# KiCad board endeavour2.kicad_pcb (continued)
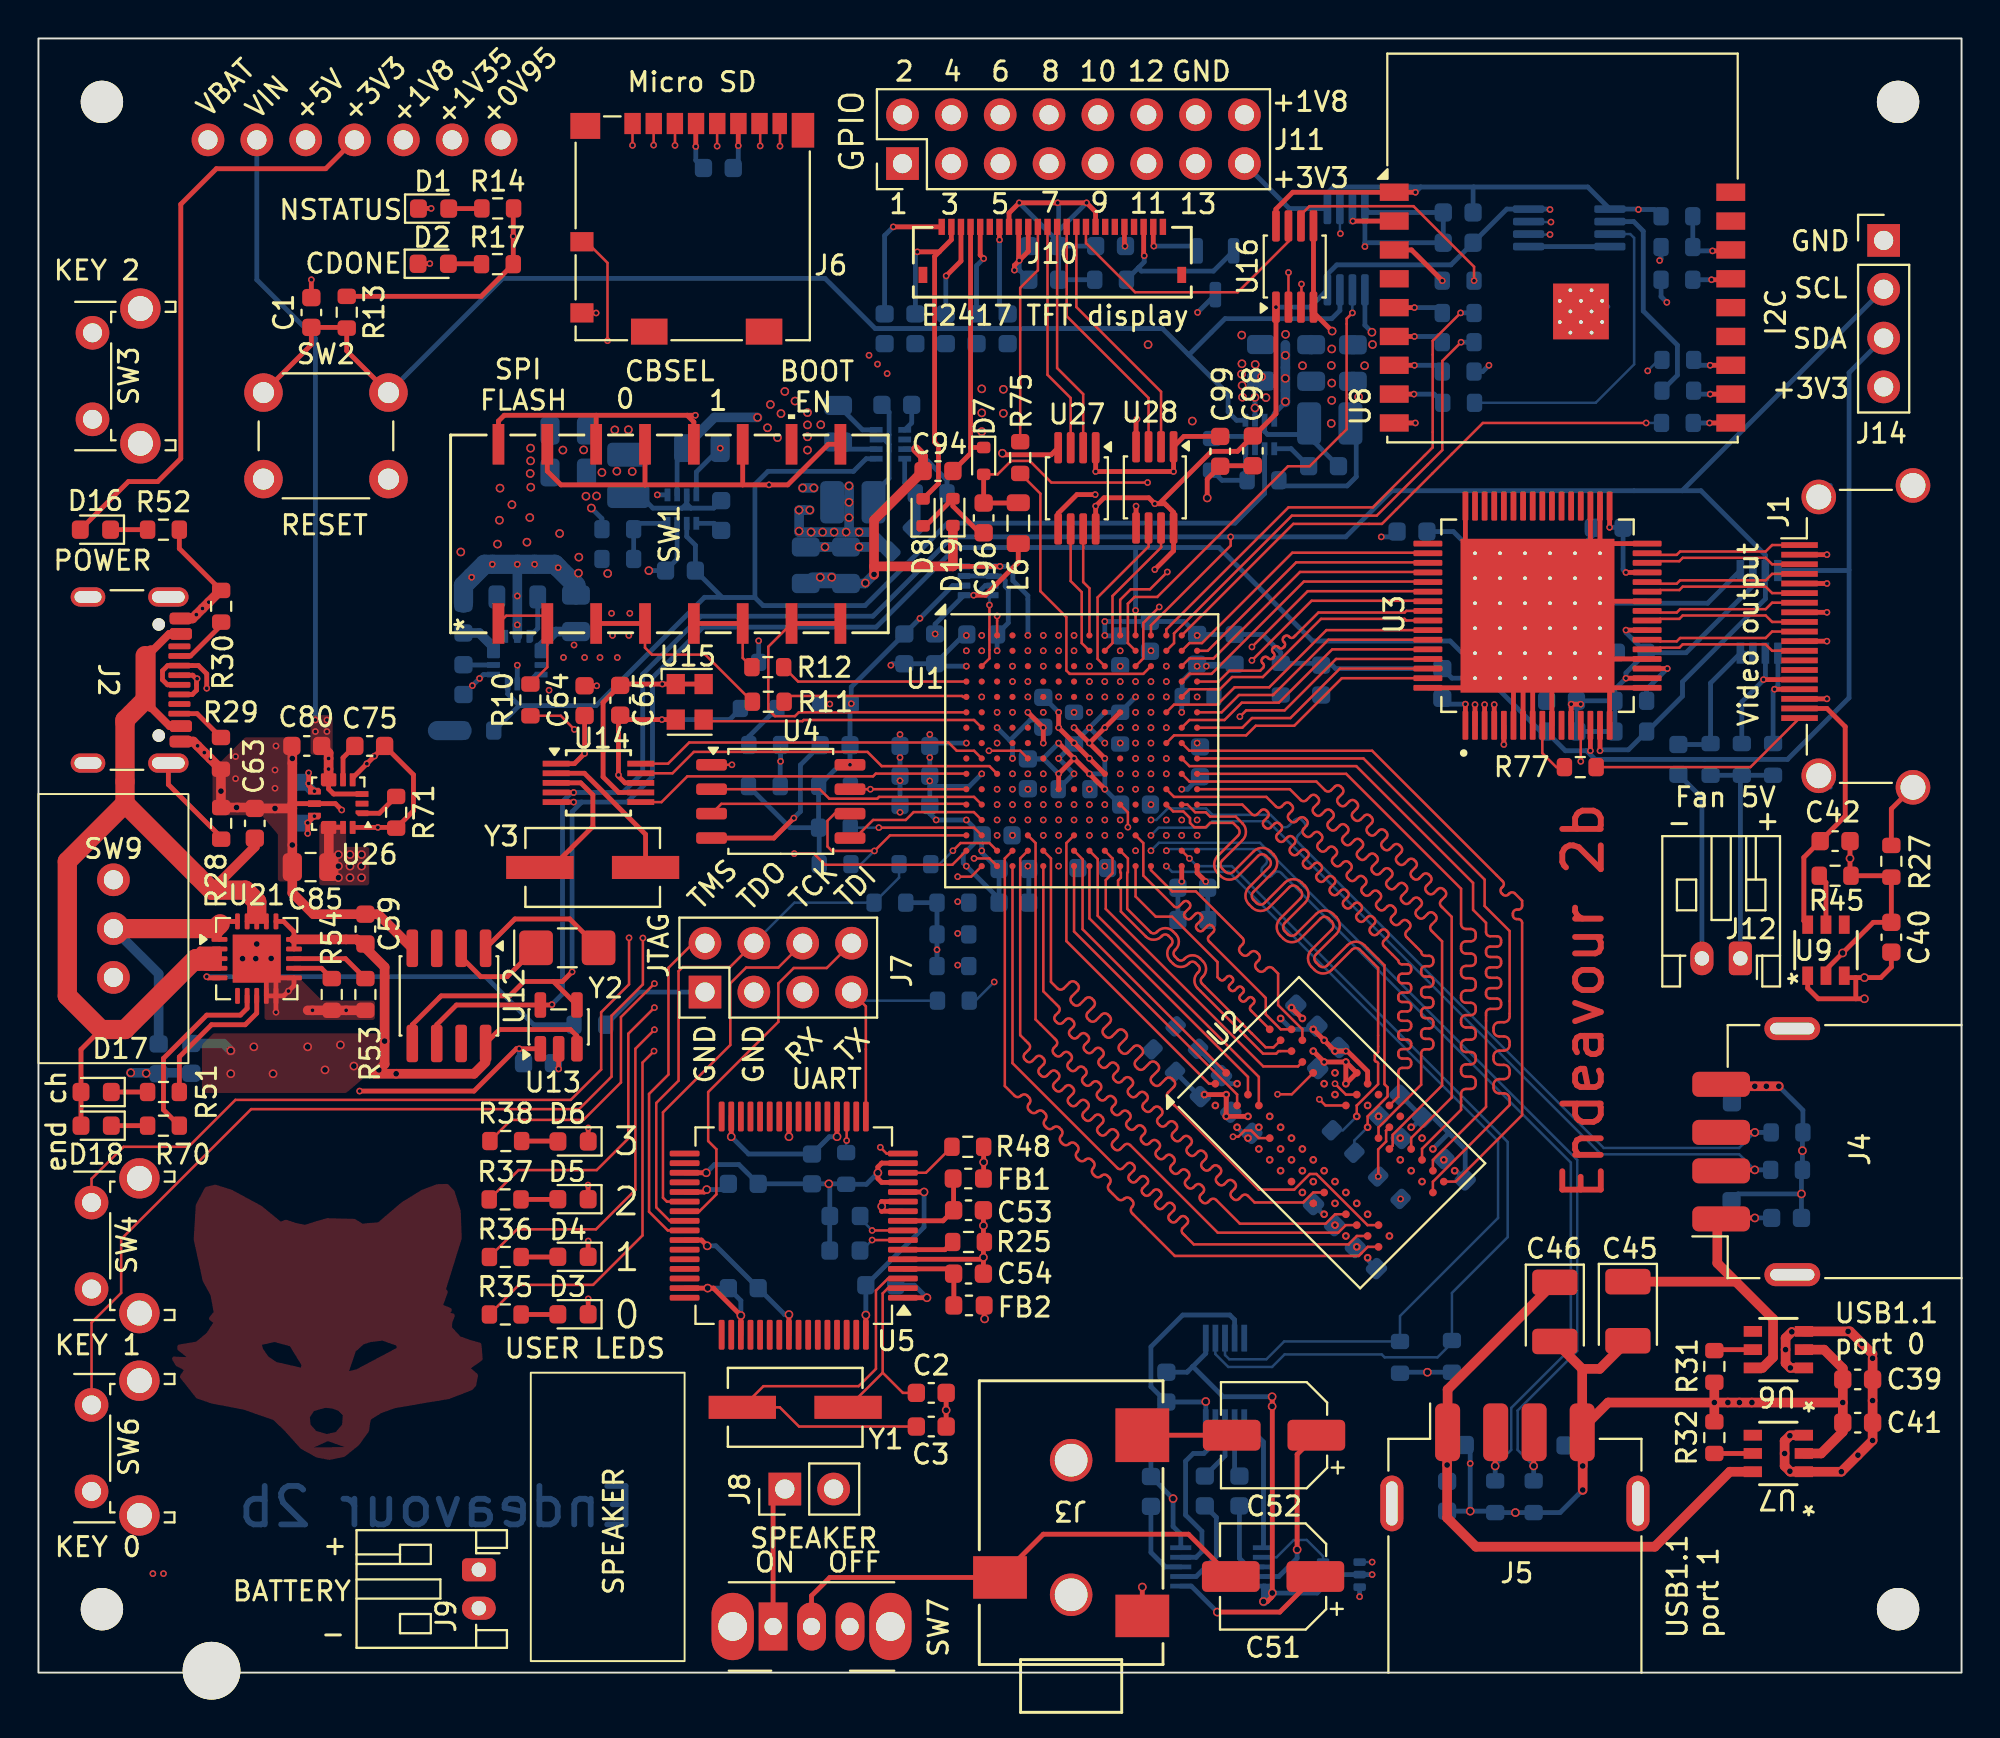
[diagram p0: board, top side]
## Routing (per net, layer and track width the routed paths; a pad name or vN(x,y) marks a point on that pad's centre or on a via; arc(x,y) is an arc through that point) (continued)
DDR_A9: length 39.6
  Top w0.13: U1.R6 52.65,42.35 52.65,35.93 52.98,35.59 arc(53.15,35.52) 53.32,35.59 53.61,35.89 arc(53.78,35.96) 53.95,35.89 54.03,35.81 arc(54.1,35.64) 54.03,35.47 53.73,35.18 arc(53.66,35.01) 53.73,34.84 53.82,34.76 arc(53.98,34.69) 54.15,34.76 54.45,35.06 arc(54.62,35.13) 54.78,35.06 54.87,34.97 arc(54.93,34.81) 54.87,34.64 54.57,34.34 arc(54.5,34.17) 54.57,34.01 54.65,33.92 arc(54.82,33.86) 54.99,33.92 55.28,34.22 arc(55.45,34.29) 55.62,34.22 55.7,34.14 arc(55.77,33.97) 55.7,33.81 55.4,33.51 arc(55.33,33.34) 55.4,33.17 55.49,33.09 arc(55.65,33.02) 55.82,33.09 56.12,33.39 arc(56.28,33.46) 56.45,33.39 56.53,33.3 arc(56.6,33.14) 56.53,32.97 56.24,32.67 arc(56.17,32.51) 56.24,32.34 56.32,32.26 arc(56.49,32.19) 56.65,32.26 56.95,32.55 arc(57.12,32.62) 57.29,32.55 57.37,32.47 arc(57.44,32.3) 57.37,32.14 57.07,31.84 arc(57,31.67) 57.07,31.5 57.15,31.42 arc(57.32,31.35) 57.49,31.42 57.79,31.72 arc(57.95,31.79) 58.12,31.72 58.2,31.64 arc(58.27,31.47) 58.2,31.3 57.91,31 arc(57.84,30.84) 57.91,30.67 57.99,30.59 arc(58.16,30.52) 58.32,30.59 58.62,30.88 arc(58.79,30.95) 58.95,30.88 59.04,30.8 arc(59.11,30.63) 59.04,30.47 58.74,30.17 arc(58.67,30) 58.74,29.84 63.45,25.12 65.3,25.12 66.11,25.94 66.45,25.94 69.11,23.28 U2.R3
DDR_A10: length 39.8
  Top w0.13: U1.L14 59.05,45.55 63.85,45.55 64.35,45.05 arc(64.5,44.99) 64.65,45.05 64.79,45.2 arc(64.94,45.26) 65.1,45.2 65.17,45.12 arc(65.24,44.97) 65.17,44.81 65.03,44.67 arc(64.97,44.52) 65.03,44.37 65.11,44.29 arc(65.26,44.23) 65.41,44.29 65.56,44.43 arc(65.71,44.5) 65.86,44.43 65.94,44.36 arc(66,44.2) 65.94,44.05 65.8,43.91 arc(65.73,43.76) 65.8,43.6 65.87,43.53 arc(66.03,43.46) 66.18,43.53 66.32,43.67 arc(66.47,43.73) 66.62,43.67 66.7,43.59 arc(66.76,43.44) 66.7,43.29 66.56,43.15 arc(66.5,42.99) 66.56,42.84 66.64,42.76 arc(66.79,42.7) 66.94,42.76 67.08,42.9 arc(67.24,42.97) 67.39,42.9 67.46,42.83 arc(67.53,42.68) 67.46,42.52 67.32,42.38 arc(67.26,42.23) 67.32,42.08 67.4,42 arc(67.55,41.94) 67.71,42 67.85,42.14 arc(68,42.2) 68.15,42.14 68.23,42.06 arc(68.29,41.91) 68.23,41.76 68.09,41.62 arc(68.02,41.47) 68.09,41.31 68.16,41.24 arc(68.32,41.17) 68.47,41.24 68.61,41.38 arc(68.76,41.44) 68.92,41.38 68.99,41.3 arc(69.06,41.15) 68.99,41 68.85,40.85 arc(68.79,40.7) 68.85,40.55 68.93,40.47 arc(69.08,40.41) 69.23,40.47 69.37,40.61 arc(69.53,40.68) 69.68,40.61 69.76,40.54 arc(69.82,40.38) 69.76,40.23 69.61,40.09 arc(69.55,39.94) 69.61,39.79 69.69,39.71 arc(69.84,39.65) 70,39.71 70.14,39.85 arc(70.29,39.91) 70.44,39.85 70.52,39.77 arc(70.58,39.62) 70.52,39.47 70.38,39.33 arc(70.32,39.17) 70.38,39.02 70.45,38.95 arc(70.61,38.88) 70.76,38.95 70.9,39.09 arc(71.05,39.15) 71.21,39.09 71.28,39.01 arc(71.35,38.86) 71.28,38.7 71.14,38.56 arc(71.08,38.41) 71.14,38.26 71.9,37.5 arc(71.96,37.35) 72.12,37.28 72.32,37.28 arc(72.47,37.22) 72.53,37.07 72.53,36.96 arc(72.47,36.81) 72.32,36.74 72.12,36.74 arc(71.96,36.68) 71.9,36.53 71.9,36.42 arc(71.96,36.27) 72.12,36.2 72.32,36.2 arc(72.47,36.14) 72.53,35.99 72.53,35.88 arc(72.47,35.73) 72.32,35.66 72.12,35.66 arc(71.96,35.6) 71.9,35.45 71.9,35.34 arc(71.96,35.19) 72.12,35.12 72.32,35.12 arc(72.47,35.06) 72.53,34.91 72.53,34.8 arc(72.47,34.65) 72.32,34.58 72.12,34.58 arc(71.96,34.52) 71.9,34.37 71.9,34.26 arc(71.96,34.11) 72.12,34.04 72.32,34.04 arc(72.47,33.98) 72.53,33.83 72.53,33.72 arc(72.47,33.57) 72.32,33.5 72.12,33.5 arc(71.96,33.44) 71.9,33.29 71.9,33.18 arc(71.96,33.03) 72.12,32.96 72.32,32.96 arc(72.47,32.9) 72.53,32.75 72.53,32.64 arc(72.47,32.49) 72.32,32.42 72.12,32.42 arc(71.96,32.36) 71.9,32.21 71.9,30.58 69.68,28.36 U2.L7
DDR_A11: length 31.3
  In2.Cu w0.13: 72.81,26.97 72.86,27.03 ; 72.81,26.97 71.95,26.11 v1(71.95,25.54) ; 72.81,26.97 72.88,27.04 72.88,36.47 61.44,47.92 58.22,47.92 v1(57.85,47.55)
DDR_A12: length 27.5
  In2.Cu w0.13: v1(70.81,26.67) 70.81,27.24 71.75,28.17 71.75,36.33 61.32,46.75 v1(58.65,46.75)
DDR_A13: length 28
  In2.Cu w0.13: v1(59.45,43.55) 59.45,43.15 59.84,42.76 60.24,42.76 61.71,41.29 61.71,39.55 68.41,32.85 68.41,30.53 66.29,28.41 66.29,27.26 65.92,26.89 65.92,26.43 69.64,22.71 v1(70.25,22.71)
DDR_A14: length 39.5
  Top w0.13: U1.J16 68.9,47.55 75.2,41.25 75.2,39.87 76.5,38.57 76.5,34.13 arc(76.41,33.92) 76.2,33.83 75.96,33.83 arc(75.75,33.74) 75.66,33.54 75.66,33.39 arc(75.75,33.18) 75.96,33.09 76.2,33.09 arc(76.41,33) 76.5,32.8 76.5,32.65 arc(76.41,32.44) 76.2,32.35 75.96,32.35 arc(75.75,32.26) 75.66,32.06 75.66,31.91 arc(75.75,31.7) 75.96,31.61 76.2,31.61 arc(76.41,31.52) 76.5,31.32 76.5,31.17 arc(76.41,30.96) 76.2,30.87 75.96,30.87 arc(75.75,30.78) 75.66,30.58 75.66,30.43 arc(75.75,30.22) 75.96,30.13 76.2,30.13 arc(76.41,30.04) 76.5,29.84 76.5,29.52 72.51,25.53 U2.T7
DDR_A15: length 37.7
  Top w0.13: U2.M7 70.42,27.41 70.42,27.97 72.99,30.54 72.99,38.04 72.43,38.59 arc(72.37,38.75) 72.43,38.9 72.64,39.11 arc(72.7,39.26) 72.64,39.41 72.56,39.49 arc(72.41,39.55) 72.26,39.49 72.05,39.28 arc(71.9,39.22) 71.75,39.28 71.67,39.36 arc(71.61,39.51) 71.67,39.66 71.88,39.87 arc(71.94,40.02) 71.88,40.17 71.8,40.25 arc(71.65,40.31) 71.49,40.25 71.29,40.04 arc(71.13,39.98) 70.98,40.04 70.91,40.12 arc(70.84,40.27) 70.91,40.43 71.11,40.63 arc(71.18,40.79) 71.11,40.94 71.04,41.01 arc(70.88,41.08) 70.73,41.01 70.52,40.81 arc(70.37,40.74) 70.22,40.81 70.14,40.88 arc(70.08,41.04) 70.14,41.19 70.35,41.4 arc(70.41,41.55) 70.35,41.7 70.27,41.78 arc(70.12,41.84) 69.97,41.78 69.76,41.57 arc(69.61,41.51) 69.45,41.57 69.38,41.65 arc(69.31,41.8) 69.38,41.95 69.59,42.16 arc(69.65,42.31) 69.59,42.47 69.51,42.54 arc(69.36,42.61) 69.2,42.54 69,42.33 arc(68.84,42.27) 68.69,42.33 68.61,42.41 arc(68.55,42.56) 68.61,42.72 68.82,42.92 arc(68.88,43.08) 68.82,43.23 68.75,43.31 arc(68.59,43.37) 68.44,43.31 68.23,43.1 arc(68.08,43.03) 67.93,43.1 67.85,43.17 arc(67.79,43.33) 67.85,43.48 68.06,43.69 arc(68.12,43.84) 68.06,43.99 67.98,44.07 arc(67.83,44.13) 67.68,44.07 67.47,43.86 arc(67.32,43.8) 67.16,43.86 67.09,43.94 arc(67.02,44.09) 67.09,44.24 67.29,44.45 arc(67.36,44.6) 67.29,44.76 67.22,44.83 arc(67.07,44.9) 66.91,44.83 66.7,44.63 arc(66.55,44.56) 66.4,44.63 66.32,44.7 arc(66.26,44.85) 66.32,45.01 66.53,45.21 arc(66.59,45.37) 66.53,45.52 66.45,45.6 arc(66.3,45.66) 66.15,45.6 65.94,45.39 arc(65.79,45.33) 65.64,45.39 65.07,45.95 U1.L16
DDR_BA0: length 28.9
  In2.Cu w0.13: v1(67.42,24.41) 66.87,24.41 65.58,25.69 63.43,25.69 52.25,36.87 52.25,43 52.65,43.4 52.65,44.75 v1(52.25,45.15)
DDR_BA1: length 38.5
  Top w0.13: U1.K15 59.85,46.35 66.45,46.35 66.91,45.89 arc(67.06,45.83) 67.21,45.89 67.41,46.09 arc(67.57,46.15) 67.72,46.09 67.79,46.01 arc(67.86,45.86) 67.79,45.71 67.6,45.51 arc(67.53,45.36) 67.6,45.2 67.67,45.13 arc(67.82,45.06) 67.98,45.13 68.18,45.33 arc(68.33,45.39) 68.48,45.33 68.56,45.25 arc(68.62,45.1) 68.56,44.94 68.36,44.75 arc(68.3,44.59) 68.36,44.44 68.44,44.36 arc(68.59,44.3) 68.74,44.36 68.94,44.56 arc(69.09,44.63) 69.25,44.56 69.32,44.49 arc(69.38,44.33) 69.32,44.18 69.12,43.98 arc(69.06,43.83) 69.12,43.68 69.2,43.6 arc(69.35,43.54) 69.5,43.6 69.7,43.8 arc(69.86,43.86) 70.01,43.8 70.09,43.72 arc(70.15,43.57) 70.09,43.42 69.89,43.22 arc(69.82,43.07) 69.89,42.91 69.96,42.84 arc(70.12,42.77) 70.27,42.84 70.47,43.04 arc(70.62,43.1) 70.77,43.04 70.85,42.96 arc(70.91,42.81) 70.85,42.65 70.65,42.46 arc(70.59,42.3) 70.65,42.15 70.73,42.07 arc(70.88,42.01) 71.03,42.07 71.23,42.27 arc(71.38,42.34) 71.54,42.27 71.61,42.2 arc(71.68,42.04) 71.61,41.89 71.41,41.69 arc(71.35,41.54) 71.41,41.39 71.49,41.31 arc(71.64,41.25) 71.8,41.31 71.99,41.51 arc(72.15,41.57) 72.3,41.51 72.38,41.43 arc(72.44,41.28) 72.38,41.13 72.18,40.93 arc(72.11,40.78) 72.18,40.62 72.25,40.55 arc(72.41,40.48) 72.56,40.55 72.76,40.74 arc(72.91,40.81) 73.06,40.74 73.14,40.67 arc(73.2,40.52) 73.14,40.36 72.94,40.16 arc(72.88,40.01) 72.94,39.86 73.49,39.31 73.49,29.91 71.38,27.8 U2.N8
DDR_BA2: length 27.5
  In2.Cu w0.13: v1(67.99,24.97) 68.55,25.54 68.55,27.2 70.3,28.95 70.3,35.72 60.95,45.07 59.38,45.07 v1(58.65,44.35)
DDR_CK+: length 41
  Top w0.13: U1.M14 59,44.79 59.53,44.79 59.88,44.45 59.88,44.2 60.1,43.97 60.7,43.97 60.93,44.2 62.12,44.2 62.37,43.94 arc(62.46,43.74) 62.37,43.53 61.32,42.47 arc(61.14,42.03) 61.32,41.59 61.48,41.43 arc(61.92,41.24) 62.37,41.43 63.42,42.48 arc(63.63,42.57) 63.84,42.48 64,42.32 arc(64.09,42.11) 64,41.9 62.95,40.85 arc(62.76,40.41) 62.95,39.96 63.11,39.8 arc(63.55,39.62) 63.99,39.8 65.05,40.85 arc(65.25,40.94) 65.46,40.85 65.63,40.69 arc(65.71,40.48) 65.63,40.27 64.57,39.22 arc(64.39,38.78) 64.57,38.34 64.73,38.17 arc(65.18,37.99) 65.62,38.17 66.67,39.23 arc(66.88,39.31) 67.09,39.23 67.25,39.07 arc(67.34,38.86) 67.25,38.65 66.2,37.59 arc(66.02,37.15) 66.2,36.71 66.36,36.55 arc(66.8,36.36) 67.24,36.55 68.3,37.6 arc(68.51,37.69) 68.72,37.6 69.66,36.65 69.66,32.3 arc(69.64,32.24) 69.58,32.21 arc(69.52,32.19) 69.49,32.13 69.49,31.86 arc(69.52,31.8) 69.58,31.77 arc(69.64,31.75) 69.66,31.69 69.66,30.61 68.55,29.5 68.55,29.5 v1(68.55,28.93)
  Bottom w0.13: v1(68.55,28.93) 67.83,28.21 R26.2
DDR_CK-: length 40.7
  Top w0.13: U1.M15 59.75,45.15 60.15,44.75 60.7,44.75 60.93,44.53 62.26,44.53 62.61,44.18 arc(62.79,43.74) 62.61,43.29 61.55,42.24 arc(61.47,42.03) 61.55,41.82 61.72,41.66 arc(61.92,41.57) 62.13,41.66 63.19,42.71 arc(63.63,42.9) 64.07,42.71 64.23,42.55 arc(64.42,42.11) 64.23,41.67 63.18,40.61 arc(63.09,40.41) 63.18,40.2 63.34,40.03 arc(63.55,39.95) 63.76,40.03 64.81,41.09 arc(65.25,41.27) 65.7,41.09 65.86,40.92 arc(66.04,40.48) 65.86,40.04 64.81,38.99 arc(64.72,38.78) 64.81,38.57 64.97,38.41 arc(65.18,38.32) 65.38,38.41 66.44,39.46 arc(66.88,39.64) 67.32,39.46 67.48,39.3 arc(67.67,38.86) 67.48,38.41 66.43,37.36 arc(66.35,37.15) 66.43,36.94 66.59,36.78 arc(66.8,36.69) 67.01,36.78 68.06,37.83 arc(68.51,38.02) 68.95,37.83 69.99,36.79 69.99,30.61 70.15,30.44 70.15,29.97 69.12,28.93 v1(69.12,28.37)
  Bottom w0.13: R26.1 68.43,27.68 v1(69.12,28.37)
DDR_CKE: length 37.5
  Top w0.13: U2.K9 70.71,29.96 70.71,31.26 arc(70.77,31.39) 70.91,31.45 71.18,31.45 arc(71.32,31.51) 71.38,31.65 71.38,31.75 arc(71.32,31.88) 71.18,31.94 70.91,31.94 arc(70.77,32) 70.71,32.14 70.71,32.24 arc(70.77,32.37) 70.91,32.43 71.18,32.43 arc(71.32,32.49) 71.38,32.63 71.38,32.73 arc(71.32,32.86) 71.18,32.92 70.91,32.92 arc(70.77,32.98) 70.71,33.12 70.71,33.22 arc(70.77,33.35) 70.91,33.41 71.18,33.41 arc(71.32,33.47) 71.38,33.61 71.38,33.71 arc(71.32,33.84) 71.18,33.9 70.91,33.9 arc(70.77,33.96) 70.71,34.1 70.71,34.2 arc(70.77,34.33) 70.91,34.39 71.18,34.39 arc(71.32,34.45) 71.38,34.59 71.38,34.69 arc(71.32,34.82) 71.18,34.88 70.91,34.88 arc(70.77,34.94) 70.71,35.08 70.71,35.18 arc(70.77,35.31) 70.91,35.37 71.18,35.37 arc(71.32,35.43) 71.38,35.57 71.38,35.67 arc(71.32,35.8) 71.18,35.86 70.91,35.86 arc(70.77,35.92) 70.71,36.06 70.71,36.16 arc(70.77,36.29) 70.91,36.35 71.18,36.35 arc(71.32,36.41) 71.38,36.55 71.38,36.65 arc(71.32,36.78) 71.18,36.84 70.91,36.84 arc(70.77,36.9) 70.71,37.04 69.96,37.79 arc(69.9,37.93) 69.96,38.07 70.16,38.26 arc(70.21,38.4) 70.16,38.54 70.09,38.61 arc(69.95,38.66) 69.81,38.61 69.61,38.41 arc(69.48,38.35) 69.34,38.41 69.27,38.48 arc(69.21,38.62) 69.27,38.76 69.46,38.95 arc(69.52,39.09) 69.46,39.23 69.39,39.3 arc(69.26,39.36) 69.12,39.3 68.92,39.11 arc(68.78,39.05) 68.64,39.11 68.58,39.17 arc(68.52,39.31) 68.58,39.45 68.77,39.65 arc(68.83,39.79) 68.77,39.92 68.7,39.99 arc(68.56,40.05) 68.42,39.99 68.23,39.8 arc(68.09,39.74) 67.95,39.8 67.88,39.87 arc(67.83,40.01) 67.88,40.14 68.08,40.34 arc(68.13,40.48) 68.08,40.62 68.01,40.69 arc(67.87,40.74) 67.73,40.69 67.54,40.49 arc(67.4,40.43) 67.26,40.49 67.19,40.56 arc(67.13,40.7) 67.19,40.84 67.38,41.03 arc(67.44,41.17) 67.38,41.31 67.31,41.38 arc(67.18,41.44) 67.04,41.38 66.84,41.18 arc(66.7,41.13) 66.57,41.18 66.5,41.25 arc(66.44,41.39) 66.5,41.53 66.69,41.73 arc(66.75,41.86) 66.69,42 66.62,42.07 arc(66.48,42.13) 66.34,42.07 66.15,41.88 arc(66.01,41.82) 65.87,41.88 65.8,41.95 arc(65.75,42.09) 65.8,42.22 66,42.42 arc(66.06,42.56) 66,42.7 65.93,42.76 arc(65.79,42.82) 65.65,42.76 65.46,42.57 arc(65.32,42.51) 65.18,42.57 65.11,42.64 arc(65.05,42.78) 65.11,42.92 65.31,43.11 arc(65.36,43.25) 65.31,43.39 65.24,43.46 arc(65.1,43.52) 64.96,43.46 64.76,43.26 arc(64.63,43.21) 64.49,43.26 64.42,43.33 arc(64.36,43.47) 64.42,43.61 64.61,43.8 arc(64.67,43.94) 64.61,44.08 64.54,44.15 arc(64.4,44.21) 64.27,44.15 64.07,43.96 arc(63.93,43.9) 63.79,43.96 63.72,44.03 arc(63.67,44.16) 63.72,44.3 63.92,44.5 arc(63.98,44.64) 63.92,44.77 63.85,44.84 arc(63.71,44.9) 63.57,44.84 63.38,44.65 arc(63.24,44.59) 63.1,44.65 62.6,45.15 U1.M16
DDR_DQ0: length 22
  In2.Cu w0.13: v1(64.03,28.93) 64.03,29.71 63.76,29.98 63.12,29.98 62.91,30.19 62.91,30.83 62.52,31.21 61.89,31.21 61.57,31.53 60.43,32.67 59.65,32.67 53.88,38.45 53.88,42.84 53.71,43 53.71,43.79 53.48,44.02 53.48,44.72 v1(53.05,45.15)
DDR_DQ1: length 21.3
  In2.Cu w0.13: v1(66.85,30.63) 59.35,38.14 arc(59.24,38.18) 59.13,38.14 59.07,38.08 arc(58.96,38.03) 58.85,38.08 58.79,38.13 arc(58.74,38.25) 58.79,38.36 58.85,38.42 arc(58.9,38.53) 58.85,38.64 58.79,38.69 arc(58.68,38.74) 58.57,38.69 58.51,38.63 arc(58.4,38.59) 58.29,38.63 58.24,38.69 arc(58.19,38.8) 58.24,38.91 58.3,38.97 arc(58.34,39.08) 58.3,39.19 58.24,39.24 arc(58.13,39.29) 58.02,39.24 57.96,39.18 arc(57.85,39.14) 57.74,39.18 57.69,39.24 arc(57.64,39.35) 57.69,39.46 57.75,39.52 arc(57.79,39.63) 57.75,39.74 57.69,39.79 arc(57.58,39.84) 57.47,39.79 57.41,39.73 arc(57.3,39.69) 57.19,39.73 57.14,39.79 arc(57.09,39.9) 57.14,40.01 57.2,40.07 arc(57.24,40.18) 57.2,40.29 56.58,40.91 56.58,41.99 55.85,42.72 55.85,44.75 v1(55.45,45.15)
DDR_DQ2: length 21.9
  Top w0.13: U2.F2 63.46,27.8 63.07,28.2 62.72,28.2 62.39,27.87 v1(62.12,27.87)
  In2.Cu w0.13: v1(53.05,43.55) 53.05,43.4 52.68,43.03 52.68,37.31 v1(62.12,27.87)
DDR_DQ3: length 21.3
  Top w0.13: U1.M11 56.65,44.75 v1(56.65,43.97)
  In2.Cu w0.13: v1(67.42,31.2) 67.42,31.76 64.32,34.86 arc(64.21,34.91) 64.1,34.86 63.99,34.74 arc(63.88,34.7) 63.77,34.74 63.71,34.8 arc(63.66,34.91) 63.71,35.02 63.83,35.14 arc(63.87,35.25) 63.83,35.36 63.77,35.41 arc(63.66,35.46) 63.55,35.41 63.43,35.29 arc(63.32,35.25) 63.21,35.29 63.16,35.35 arc(63.11,35.46) 63.16,35.57 63.28,35.69 arc(63.32,35.8) 63.28,35.91 63.22,35.96 arc(63.11,36.01) 63,35.96 62.88,35.85 arc(62.77,35.8) 62.66,35.85 62.61,35.9 arc(62.56,36.01) 62.61,36.12 62.72,36.24 arc(62.77,36.35) 62.72,36.46 62.67,36.51 arc(62.56,36.56) 62.45,36.51 62.33,36.4 arc(62.22,36.35) 62.11,36.4 62.06,36.45 arc(62.01,36.56) 62.06,36.67 62.17,36.79 arc(62.22,36.9) 62.17,37.01 57.42,41.76 57.42,43.18 56.65,43.95 v1(56.65,43.97)
DDR_DQ4: length 23.1
  In2.Cu w0.13: v1(65.72,27.24) 65.16,27.24 61.16,31.23 61.16,31.24 60.32,32.07 59.66,32.07 53.45,38.28 53.45,43.67 53.05,44.07 v1(53.05,44.35)
DDR_DQ5: length 20.9
  Top w0.13: U2.H8 67.99,30.07 v1(67.42,30.63)
  In2.Cu w0.13: v1(56.25,43.55) 56.25,42.87 56.99,42.14 56.99,41.06 57.25,40.8 arc(57.36,40.75) 57.47,40.8 57.58,40.9 arc(57.69,40.95) 57.8,40.9 57.85,40.85 arc(57.9,40.74) 57.85,40.63 57.75,40.52 arc(57.7,40.41) 57.75,40.3 57.8,40.25 arc(57.91,40.2) 58.02,40.25 58.13,40.35 arc(58.24,40.4) 58.35,40.35 58.4,40.3 arc(58.45,40.19) 58.4,40.08 58.3,39.97 arc(58.25,39.86) 58.3,39.75 58.35,39.7 arc(58.46,39.65) 58.58,39.7 58.68,39.8 arc(58.79,39.85) 58.9,39.8 58.95,39.74 arc(59,39.63) 58.95,39.52 58.85,39.42 arc(58.81,39.31) 58.85,39.2 v1(67.42,30.63)
DDR_DQ6: length 19.9
  In2.Cu w0.13: v1(64.59,27.24) 63.98,27.24 60.25,30.97 60.12,30.97 53.05,38.05 v1(53.05,41.95)
DDR_DQ7: length 20.9
  Top w0.13: v1(66.61,29.82) 66.93,29.5 U2.H7
  In2.Cu w0.13: v1(66.61,29.82) 58.2,38.22 arc(58.09,38.27) 57.98,38.22 57.93,38.16 arc(57.82,38.12) 57.7,38.16 57.65,38.22 arc(57.6,38.33) 57.65,38.44 57.71,38.5 arc(57.75,38.61) 57.71,38.72 57.65,38.77 arc(57.54,38.82) 57.43,38.77 57.37,38.71 arc(57.26,38.67) 57.15,38.71 57.1,38.77 arc(57.05,38.88) 57.1,38.99 57.16,39.05 arc(57.2,39.16) 57.16,39.27 56.14,40.29 56.14,41.81 55.45,42.5 v1(55.45,43.55)
DDR_DQ8: length 17
  Top w0.13: U1.R10 55.85,42.35 55.85,41.57 55.5,41.22 55.5,39.72 63.69,31.53 65.49,31.53 U2.D7
DDR_DQ9: length 15.3
  Top w0.13: U1.T9 54.65,39.23 62.89,30.98 U2.C3
DDR_DQ10: length 14.7
  Top w0.13: U2.C8 65.72,33.46 64.46,34.72 64.46,36.36 64.19,36.63 arc(64.03,36.7) 63.86,36.63 63.75,36.52 arc(63.59,36.45) 63.42,36.52 63.34,36.6 arc(63.27,36.77) 63.34,36.94 63.44,37.04 arc(63.51,37.21) 63.44,37.38 63.36,37.46 arc(63.19,37.53) 63.03,37.46 62.92,37.36 arc(62.75,37.29) 62.59,37.36 62.5,37.44 arc(62.43,37.61) 62.5,37.77 62.61,37.88 arc(62.68,38.05) 62.61,38.21 60.19,40.63 58.96,40.63 57.85,41.74 U1.T13
DDR_DQ11: length 16
  Top w0.13: U1.T8 53.85,38.55 62.33,30.07 U2.C2
DDR_DQ12: length 14.2
  Top w0.13: U1.T12 57.05,40.37 58.1,39.32 58.95,39.32 61.31,36.96 61.31,36.18 61.44,36.05 arc(61.55,36) 61.66,36.05 61.81,36.2 arc(61.92,36.24) 62.03,36.2 62.09,36.14 arc(62.13,36.03) 62.09,35.92 61.94,35.77 arc(61.89,35.66) 61.94,35.55 61.99,35.49 arc(62.1,35.45) 62.21,35.49 62.36,35.64 arc(62.47,35.69) 62.58,35.64 62.64,35.59 arc(62.68,35.48) 62.64,35.37 62.49,35.22 arc(62.44,35.11) 62.49,35 62.54,34.94 arc(62.65,34.9) 62.76,34.94 62.91,35.09 arc(63.02,35.14) 63.13,35.09 63.19,35.04 arc(63.23,34.93) 63.19,34.82 63.04,34.67 arc(62.99,34.56) 63.04,34.45 U2.A7
DDR_DQ13: length 16.5
  Top w0.13: U1.P8 53.45,43.15 53.45,38.05 60.87,30.63 U2.A2
DDR_DQ14: length 17
  Top w0.13: U1.P12 57.45,43.15 57.45,41.46 59.06,39.85 arc(59.18,39.8) 59.31,39.85 59.54,40.09 arc(59.66,40.14) 59.79,40.09 59.85,40.02 arc(59.9,39.9) 59.85,39.78 59.62,39.54 arc(59.57,39.42) 59.62,39.29 59.68,39.23 arc(59.8,39.18) 59.93,39.23 60.16,39.46 arc(60.29,39.52) 60.41,39.46 60.47,39.4 arc(60.52,39.28) 60.47,39.15 60.24,38.92 arc(60.19,38.79) 60.24,38.67 60.3,38.61 arc(60.43,38.56) 60.55,38.61 60.78,38.84 arc(60.91,38.89) 61.03,38.84 61.1,38.78 arc(61.15,38.66) 61.1,38.53 60.86,38.3 arc(60.81,38.17) 60.86,38.05 63.82,35.09 63.82,34.24 64.6,33.46 U2.B8
DDR_DQ15: length 14.8
  Top w0.13: U1.R8 54.29,42.3 54.29,38.67 U2.A3
DDR_LDM: length 23
  Top w0.13: v1(64.43,30.08) 65.17,30.08 U2.E7
  In2.Cu w0.13: v1(54.65,45.15) 54.25,44.75 54.25,44.1 54.01,43.86 54.01,43.15 54.36,42.8 54.36,38.44 59.71,33.09 61.43,33.09 v1(64.43,30.08)
DDR_LDQS+: length 23
  In2.Cu w0.13: v1(64.59,28.37) 64.92,28.37 65.59,29.04 65.59,29.61 61.21,33.99 59.77,33.99 59.36,34.41 59.36,35.09 59.68,35.41 59.68,35.68 59.28,36.08 58.48,36.08 54.75,39.82 54.75,42.93 54.27,43.41 54.27,43.69 54.65,44.07 v1(54.65,44.35)
DDR_LDQS-: length 23.5
  In2.Cu w0.13: v1(55.45,44.35) 55.08,43.98 55.08,41.6 arc(55.13,41.49) 55.24,41.44 55.24,41.44 arc(55.36,41.4) 55.4,41.29 55.4,41.21 arc(55.36,41.1) 55.24,41.05 55.24,41.05 arc(55.13,41.01) 55.08,40.9 55.08,39.95 58.62,36.41 59.41,36.41 60.01,35.82 60.01,35.27 59.69,34.96 59.69,34.54 59.91,34.32 61.34,34.32 65.92,29.75 65.92,28.9 65.16,28.14 v1(65.16,27.8)
DDR_nCAS: length 27.2
  In2.Cu w0.13: v1(60.25,43.55) 60.97,43.55 62.72,41.8 62.72,40.75 63.07,40.4 63.72,40.4 64.88,39.25 64.88,38.72 64.6,38.45 64.6,38.12 64.83,37.9 arc(64.98,37.83) 65.13,37.9 65.66,38.43 arc(65.82,38.49) 65.97,38.43 66.05,38.35 arc(66.11,38.2) 66.05,38.05 65.51,37.52 arc(65.45,37.36) 65.51,37.21 65.59,37.13 arc(65.74,37.07) 65.9,37.13 66.43,37.67 arc(66.58,37.73) 66.73,37.67 66.81,37.59 arc(66.87,37.44) 66.81,37.28 66.28,36.75 arc(66.21,36.6) 66.28,36.45 69.29,33.43 69.29,30.35 67.42,28.47 67.42,26.67 v1(66.85,26.11)
DDR_nCS: length 37.9
  Top w0.13: U2.L2 66.29,24.97 65.77,24.46 63.24,24.46 62.89,24.8 arc(62.74,24.86) 62.59,24.8 62.43,24.65 arc(62.28,24.58) 62.13,24.65 62.05,24.72 arc(61.99,24.88) 62.05,25.03 62.2,25.18 arc(62.27,25.33) 62.2,25.49 62.13,25.56 arc(61.98,25.63) 61.82,25.56 61.67,25.41 arc(61.52,25.35) 61.36,25.41 61.29,25.49 arc(61.22,25.64) 61.29,25.79 61.44,25.95 arc(61.5,26.1) 61.44,26.25 61.36,26.33 arc(61.21,26.39) 61.06,26.33 60.91,26.17 arc(60.75,26.11) 60.6,26.17 60.52,26.25 arc(60.46,26.4) 60.52,26.56 60.68,26.71 arc(60.74,26.86) 60.68,27.01 60.6,27.09 arc(60.45,27.15) 60.3,27.09 60.14,26.94 arc(59.99,26.87) 59.84,26.94 59.76,27.01 arc(59.7,27.17) 59.76,27.32 59.91,27.47 arc(59.98,27.63) 59.91,27.78 59.84,27.85 arc(59.68,27.92) 59.53,27.85 59.38,27.7 arc(59.23,27.64) 59.07,27.7 59,27.78 arc(58.93,27.93) 59,28.08 59.15,28.24 arc(59.21,28.39) 59.15,28.54 59.07,28.62 arc(58.92,28.68) 58.77,28.62 58.61,28.46 arc(58.46,28.4) 58.31,28.46 58.23,28.54 arc(58.17,28.69) 58.23,28.85 58.39,29 arc(58.45,29.15) 58.39,29.31 58.31,29.38 arc(58.16,29.45) 58,29.38 57.85,29.23 arc(57.7,29.17) 57.55,29.23 57.47,29.3 arc(57.41,29.46) 57.47,29.61 57.62,29.76 arc(57.69,29.92) 57.62,30.07 57.55,30.15 arc(57.39,30.21) 57.24,30.15 57.09,29.99 arc(56.93,29.93) 56.78,29.99 56.71,30.07 arc(56.64,30.22) 56.71,30.37 56.86,30.53 arc(56.92,30.68) 56.86,30.83 56.78,30.91 arc(56.63,30.97) 56.48,30.91 56.32,30.76 arc(56.17,30.69) 56.02,30.76 55.94,30.83 arc(55.88,30.98) 55.94,31.14 56.1,31.29 arc(56.16,31.44) 56.1,31.6 56.02,31.67 arc(55.87,31.74) 55.71,31.67 55.56,31.52 arc(55.41,31.46) 55.25,31.52 55.18,31.6 arc(55.11,31.75) 55.18,31.9 55.33,32.06 arc(55.39,32.21) 55.33,32.36 55.26,32.44 arc(55.1,32.5) 54.95,32.44 54.8,32.28 arc(54.64,32.22) 54.49,32.28 54.41,32.36 arc(54.35,32.51) 54.41,32.66 54.57,32.82 arc(54.63,32.97) 54.57,33.12 54.49,33.2 arc(54.34,33.26) 54.19,33.2 54.03,33.05 arc(53.88,32.98) 53.73,33.05 53.65,33.12 arc(53.59,33.28) 53.65,33.43 53.8,33.58 arc(53.87,33.74) 53.8,33.89 53.73,33.96 arc(53.58,34.03) 53.42,33.96 53.27,33.81 arc(53.12,33.75) 52.96,33.81 52.89,33.89 arc(52.82,34.04) 52.89,34.19 53.04,34.35 arc(53.1,34.5) 53.04,34.65 52.25,35.44 U1.T6
DDR_nRAS: length 30.2
  In2.Cu w0.13: v1(56.25,45.95) 56.65,45.55 57.97,45.55 58.28,45.24 58.28,44.2 58.53,43.95 59.57,43.95 59.82,43.7 59.82,43.46 60.1,43.18 60.62,43.18 62.26,41.54 62.26,39.74 62.47,39.53 arc(62.62,39.47) 62.78,39.53 63.13,39.88 arc(63.28,39.95) 63.44,39.88 63.51,39.81 arc(63.58,39.66) 63.51,39.5 63.16,39.15 arc(63.1,39) 63.16,38.84 63.24,38.77 arc(63.39,38.7) 63.54,38.77 63.9,39.12 arc(64.05,39.18) 64.2,39.12 64.28,39.04 arc(64.34,38.89) 64.28,38.74 63.92,38.38 arc(63.86,38.23) 63.92,38.08 68.85,33.15 68.85,30.42 66.85,28.43 66.85,27.24 v1(66.29,26.67)
DDR_nRESET: length 39.6
  Top w0.13: U2.T2 69.12,22.15 68.8,21.82 ; 68.8,21.82 68.65,21.67 59.09,21.67 56.87,23.89 arc(56.8,24.06) 56.87,24.23 56.87,24.23 arc(56.94,24.4) 56.87,24.56 56.79,24.65 arc(56.62,24.71) 56.46,24.65 56.45,24.64 arc(56.29,24.57) 56.12,24.64 55.68,25.08 arc(55.61,25.25) 55.68,25.42 55.68,25.42 arc(55.75,25.58) 55.68,25.75 55.6,25.84 arc(55.43,25.9) 55.27,25.84 55.26,25.83 arc(55.1,25.76) 54.93,25.83 54.85,25.92 arc(54.78,26.08) 54.85,26.25 54.85,26.25 arc(54.92,26.42) 54.85,26.59 54.76,26.67 arc(54.6,26.74) 54.43,26.67 54.43,26.67 arc(54.26,26.6) 54.1,26.67 54.01,26.75 arc(53.94,26.92) 54.01,27.09 54.01,27.09 arc(54.08,27.25) 54.01,27.42 53.93,27.5 arc(53.76,27.57) 53.6,27.5 53.6,27.5 arc(53.43,27.43) 53.26,27.5 53.18,27.59 arc(53.11,27.75) 53.18,27.92 53.18,27.92 arc(53.25,28.09) 53.18,28.25 53.1,28.34 arc(52.93,28.41) 52.76,28.34 52.76,28.34 arc(52.59,28.27) 52.43,28.34 52.34,28.42 arc(52.27,28.59) 52.34,28.75 52.35,28.76 arc(52.41,28.92) 52.35,29.09 52.26,29.17 arc(52.09,29.24) 51.93,29.17 51.93,29.17 arc(51.76,29.1) 51.59,29.17 51.51,29.25 arc(51.44,29.42) 51.51,29.59 51.51,29.59 arc(51.58,29.76) 51.51,29.92 51.43,30.01 arc(51.26,30.08) 51.09,30.01 51.09,30.01 arc(50.93,29.94) 50.76,30.01 50.25,30.51 50.25,42.35 U1.R4 ; 68.8,21.82 68.75,21.77
DDR_nWE: length 28.7
  In2.Cu w0.13: v1(67.42,25.54) 67.99,26.11 67.99,27.76 69.79,29.56 69.79,35.51 69.56,35.74 arc(69.38,35.82) 69.19,35.74 68.8,35.35 arc(68.62,35.27) 68.43,35.35 68.34,35.44 arc(68.27,35.62) 68.34,35.8 68.74,36.2 arc(68.82,36.38) 68.74,36.56 68.65,36.65 arc(68.47,36.72) 68.29,36.65 67.89,36.25 arc(67.71,36.18) 67.53,36.25 67.44,36.34 arc(67.36,36.52) 67.44,36.7 67.84,37.1 arc(67.91,37.28) 67.84,37.46 60.55,44.75 59.85,44.75 v1(59.45,44.35)
DDR_ODT: length 28.4
  In2.Cu w0.13: v1(52.25,45.95) 51.85,45.55 51.85,36.32 63.2,24.97 v1(65.72,24.97)
DDR_UDM: length 16.9
  Top w0.13: U1.R9 55.08,42.32 55.08,39.37 63.46,30.98 U2.D3
DDR_UDQS+: length 16.5
  Top w0.13: U1.T11 56.25,41.63 56.28,41.6 56.28,41.35 56.14,41.2 56.14,40.9 56.28,40.76 56.28,39.59 57.59,38.28 arc(57.99,38.12) 58.39,38.28 58.43,38.33 arc(58.6,38.4) 58.76,38.33 58.9,38.19 arc(58.97,38.02) 58.9,37.85 58.86,37.81 arc(58.7,37.41) 58.86,37.01 59,36.87 arc(59.4,36.71) 59.8,36.87 59.84,36.91 arc(60.01,36.98) 60.18,36.91 60.32,36.77 arc(60.39,36.6) 60.32,36.44 60.28,36.4 arc(60.11,36) 60.28,35.6 63.68,32.2 64.36,32.2 64.49,32.33 U2.C7
DDR_UDQS-: length 16.4
  Top w0.13: U2.B7 64.22,32.53 63.81,32.53 60.51,35.83 arc(60.44,36) 60.51,36.16 60.55,36.21 arc(60.72,36.6) 60.55,37 60.41,37.15 arc(60.01,37.31) 59.61,37.15 59.57,37.1 arc(59.4,37.04) 59.24,37.1 59.09,37.25 arc(59.03,37.41) 59.09,37.58 59.14,37.62 arc(59.3,38.02) 59.14,38.42 58.99,38.56 arc(58.6,38.73) 58.2,38.56 58.15,38.52 arc(57.99,38.45) 57.82,38.52 56.62,39.73 56.62,41.6 56.65,41.63 56.65,42.35 U1.R11
